# KiCad board motordecoder2-roomlight.kicad_pcb (continued)
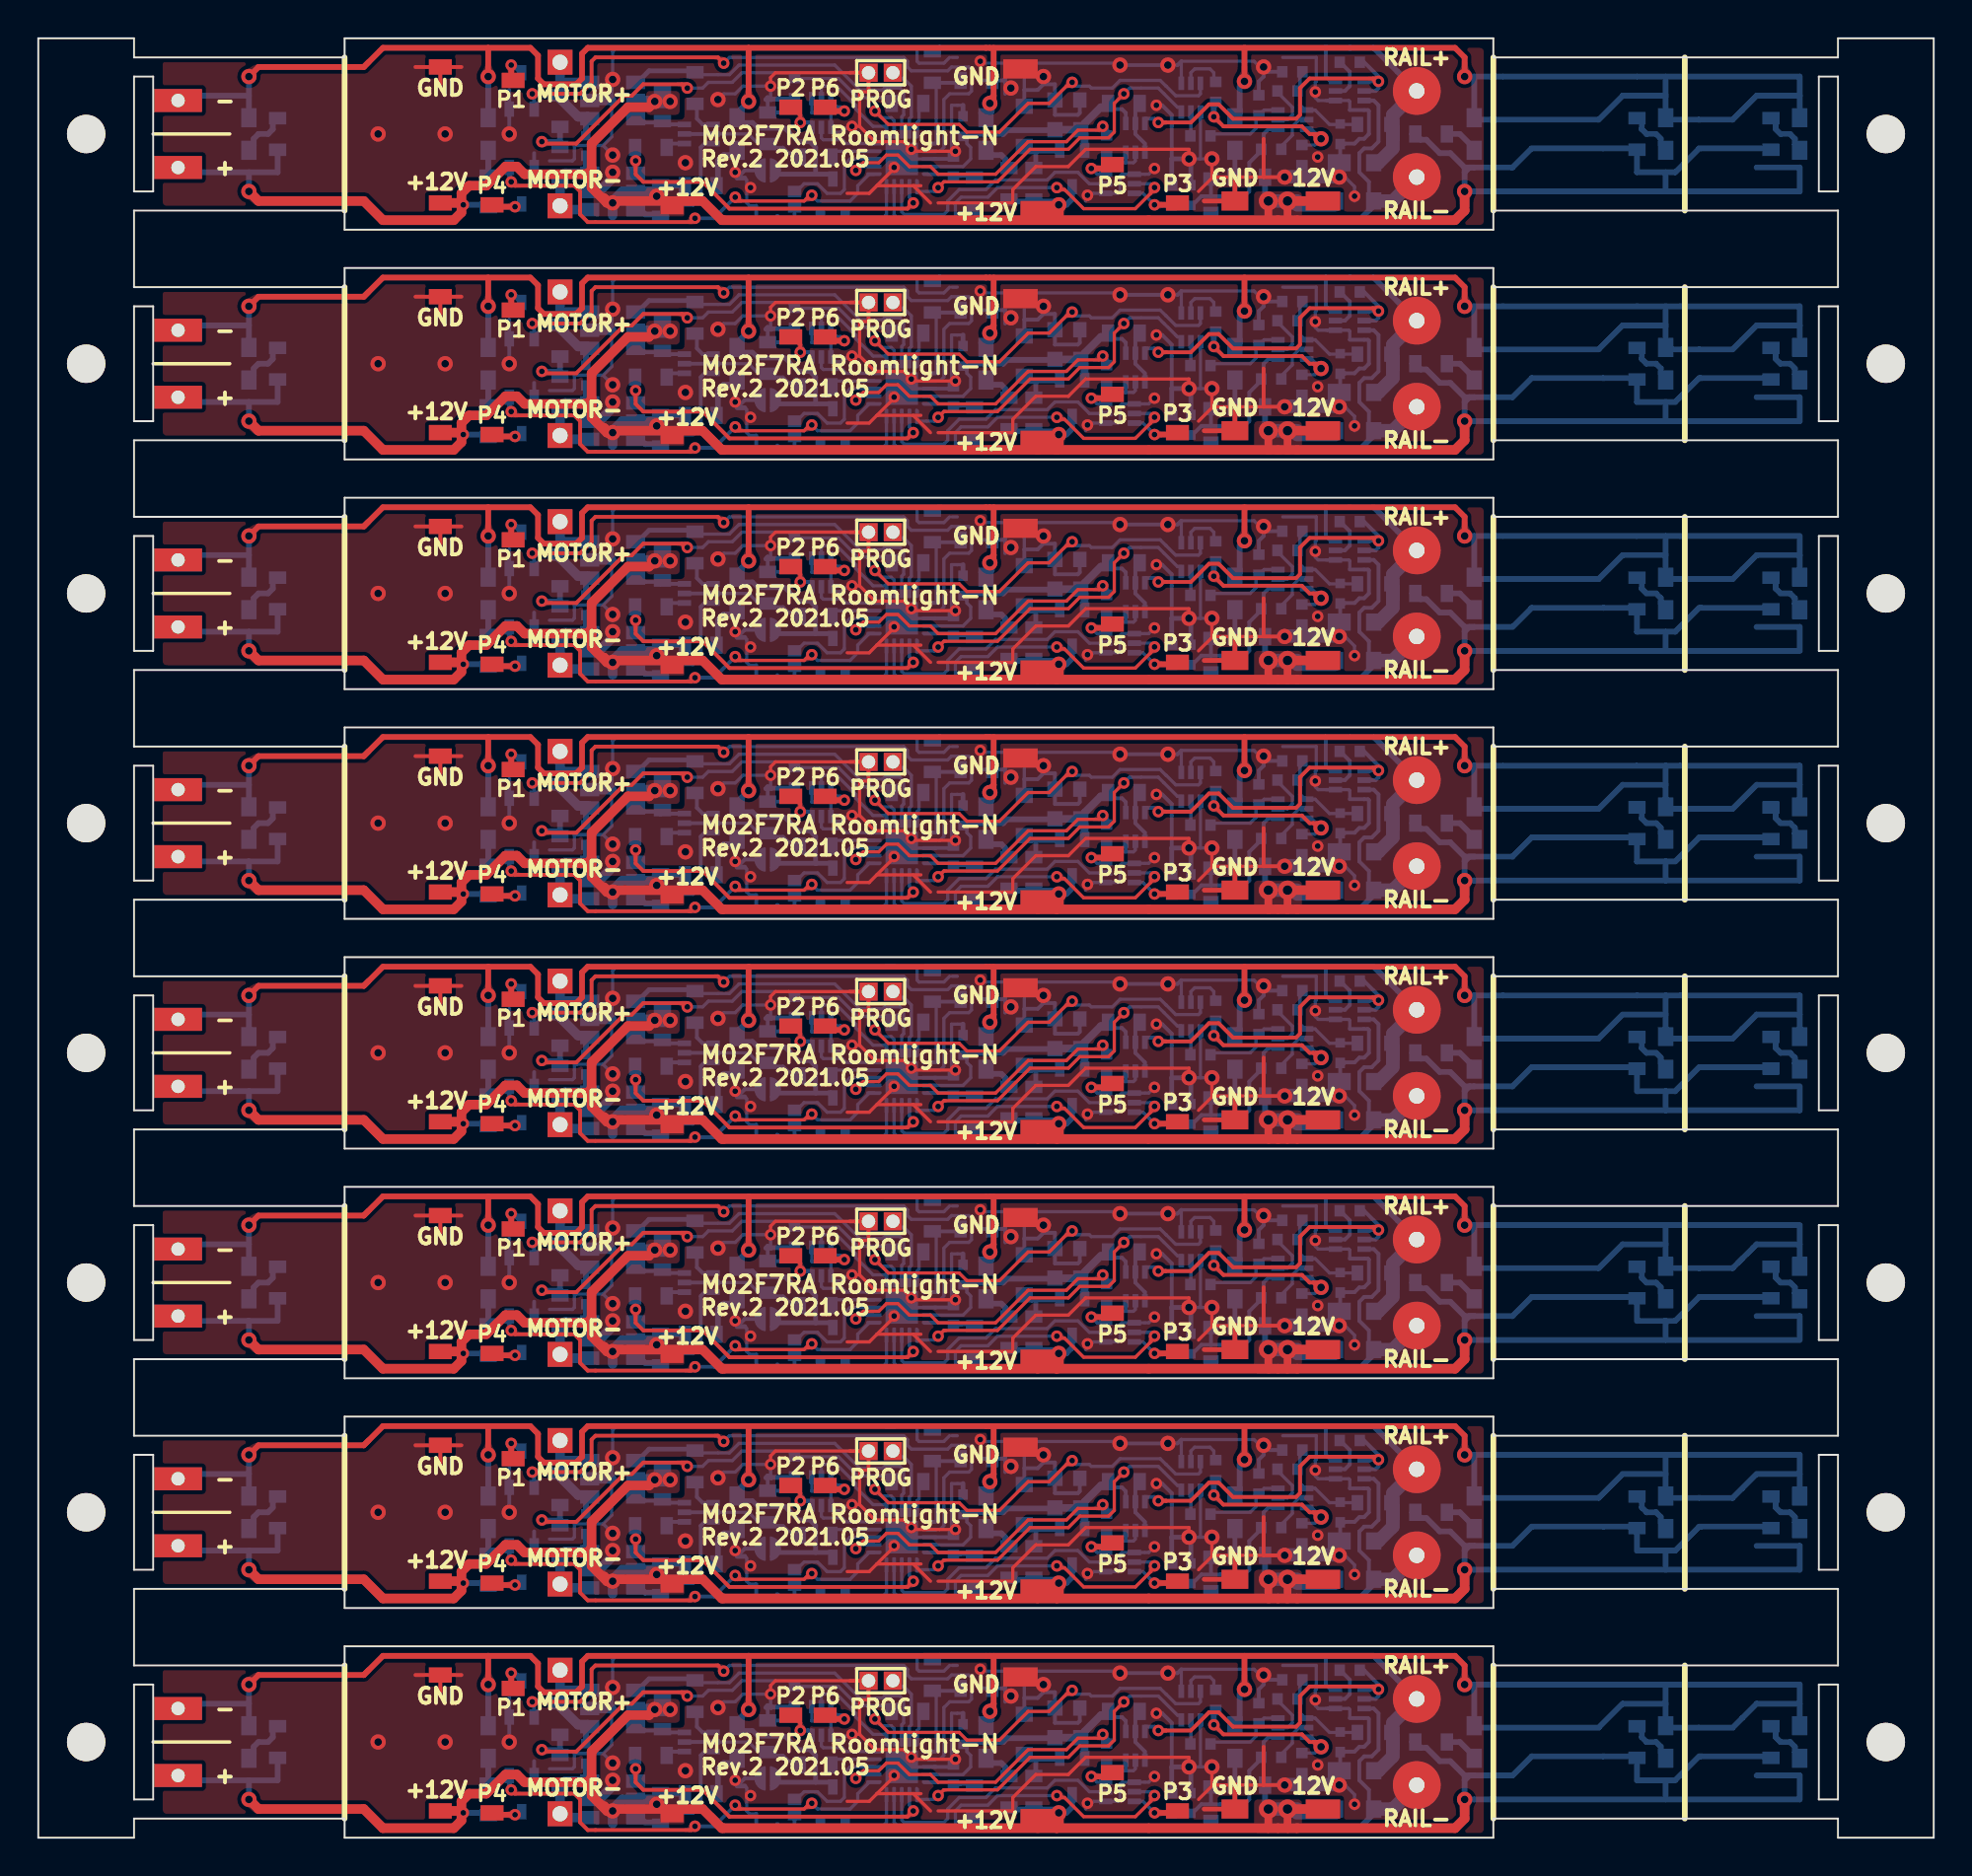
[diagram p0: board, top side]
## Placement (name value [footprint] x y rotation side) (continued)
R32#4  103  [R_1005]  65.5 56.25 180 bottom
R32#5  103  [R_1005]  65.5 44.25 180 bottom
R32#6  103  [R_1005]  65.5 32.25 180 bottom
R32#7  103  [R_1005]  65.5 20.25 180 bottom
R32#8  103  [R_1005]  65.5 8.25 180 bottom
R33  472  [R_1005]  66 87.9 270 bottom
R33#2  472  [R_1005]  66 75.9 270 bottom
R33#3  472  [R_1005]  66 63.9 270 bottom
R33#4  472  [R_1005]  66 51.9 270 bottom
R33#5  472  [R_1005]  66 39.9 270 bottom
R33#6  472  [R_1005]  66 27.9 270 bottom
R33#7  472  [R_1005]  66 15.9 270 bottom
R33#8  472  [R_1005]  66 3.9 270 bottom
R34  103  [R_1005]  61.5 91.2 270 bottom
R34#2  103  [R_1005]  61.5 79.2 270 bottom
R34#3  103  [R_1005]  61.5 67.2 270 bottom
R34#4  103  [R_1005]  61.5 55.2 270 bottom
R34#5  103  [R_1005]  61.5 43.2 270 bottom
R34#6  103  [R_1005]  61.5 31.2 270 bottom
R34#7  103  [R_1005]  61.5 19.2 270 bottom
R34#8  103  [R_1005]  61.5 7.2 270 bottom
R35  102  [R_1005]  64.4 88.2 180 bottom
R35#2  102  [R_1005]  64.4 76.2 180 bottom
R35#3  102  [R_1005]  64.4 64.2 180 bottom
R35#4  102  [R_1005]  64.4 52.2 180 bottom
R35#5  102  [R_1005]  64.4 40.2 180 bottom
R35#6  102  [R_1005]  64.4 28.2 180 bottom
R35#7  102  [R_1005]  64.4 16.2 180 bottom
R35#8  102  [R_1005]  64.4 4.2 180 bottom
R36  103  [R_1005]  59.2 85.8 90 bottom
R36#2  103  [R_1005]  59.2 73.8 90 bottom
R36#3  103  [R_1005]  59.2 61.8 90 bottom
R36#4  103  [R_1005]  59.2 49.8 90 bottom
R36#5  103  [R_1005]  59.2 37.8 90 bottom
R36#6  103  [R_1005]  59.2 25.8 90 bottom
R36#7  103  [R_1005]  59.2 13.8 90 bottom
R36#8  103  [R_1005]  59.2 1.8 90 bottom
R37  472  [R_1005]  63.75 90.5 90 bottom
R37#2  472  [R_1005]  63.75 78.5 90 bottom
R37#3  472  [R_1005]  63.75 66.5 90 bottom
R37#4  472  [R_1005]  63.75 54.5 90 bottom
R37#5  472  [R_1005]  63.75 42.5 90 bottom
R37#6  472  [R_1005]  63.75 30.5 90 bottom
R37#7  472  [R_1005]  63.75 18.5 90 bottom
R37#8  472  [R_1005]  63.75 6.5 90 bottom
R38  103  [R_1005]  60.7 88.9 0 bottom
R38#2  103  [R_1005]  60.7 76.9 0 bottom
R38#3  103  [R_1005]  60.7 64.9 0 bottom
R38#4  103  [R_1005]  60.7 52.9 0 bottom
R38#5  103  [R_1005]  60.7 40.9 0 bottom
R38#6  103  [R_1005]  60.7 28.9 0 bottom
R38#7  103  [R_1005]  60.7 16.9 0 bottom
R38#8  103  [R_1005]  60.7 4.9 0 bottom
R41  472  [R_1608_v2]  90.5 89 90 bottom
R41#2  472  [R_1608_v2]  90.5 77 90 bottom
R41#3  472  [R_1608_v2]  90.5 65 90 bottom
R41#4  472  [R_1608_v2]  90.5 53 90 bottom
R41#5  472  [R_1608_v2]  90.5 41 90 bottom
R41#6  472  [R_1608_v2]  90.5 29 90 bottom
R41#7  472  [R_1608_v2]  90.5 17 90 bottom
R41#8  472  [R_1608_v2]  90.5 5 90 bottom
R42  472  [R_1608_v2]  83.5 89 90 bottom
R42#2  472  [R_1608_v2]  83.5 77 90 bottom
R42#3  472  [R_1608_v2]  83.5 65 90 bottom
R42#4  472  [R_1608_v2]  83.5 53 90 bottom
R42#5  472  [R_1608_v2]  83.5 41 90 bottom
R42#6  472  [R_1608_v2]  83.5 29 90 bottom
R42#7  472  [R_1608_v2]  83.5 17 90 bottom
R42#8  472  [R_1608_v2]  83.5 5 90 bottom
R43  472  [R_1608_v2]  72.75 89 0 bottom
R43#2  472  [R_1608_v2]  72.75 77 0 bottom
R43#3  472  [R_1608_v2]  72.75 65 0 bottom
R43#4  472  [R_1608_v2]  72.75 53 0 bottom
R43#5  472  [R_1608_v2]  72.75 41 0 bottom
R43#6  472  [R_1608_v2]  72.75 29 0 bottom
R43#7  472  [R_1608_v2]  72.75 17 0 bottom
R43#8  472  [R_1608_v2]  72.75 5 0 bottom
R44  472  [R_1608_v2]  63.25 86.75 180 bottom
R44#2  472  [R_1608_v2]  63.25 74.75 180 bottom
R44#3  472  [R_1608_v2]  63.25 62.75 180 bottom
R44#4  472  [R_1608_v2]  63.25 50.75 180 bottom
R44#5  472  [R_1608_v2]  63.25 38.75 180 bottom
R44#6  472  [R_1608_v2]  63.25 26.75 180 bottom
R44#7  472  [R_1608_v2]  63.25 14.75 180 bottom
R44#8  472  [R_1608_v2]  63.25 2.75 180 bottom
R45  472  [R_1608_v2]  50.7 86.4 90 bottom
R45#2  472  [R_1608_v2]  50.7 74.4 90 bottom
R45#3  472  [R_1608_v2]  50.7 62.4 90 bottom
R45#4  472  [R_1608_v2]  50.7 50.4 90 bottom
R45#5  472  [R_1608_v2]  50.7 38.4 90 bottom
R45#6  472  [R_1608_v2]  50.7 26.4 90 bottom
R45#7  472  [R_1608_v2]  50.7 14.4 90 bottom
R45#8  472  [R_1608_v2]  50.7 2.4 90 bottom
R46  472  [R_1608_v2]  34.6 86.3 0 bottom
R46#2  472  [R_1608_v2]  34.6 74.3 0 bottom
R46#3  472  [R_1608_v2]  34.6 62.3 0 bottom
R46#4  472  [R_1608_v2]  34.6 50.3 0 bottom
R46#5  472  [R_1608_v2]  34.6 38.3 0 bottom
R46#6  472  [R_1608_v2]  34.6 26.3 0 bottom
R46#7  472  [R_1608_v2]  34.6 14.3 0 bottom
R46#8  472  [R_1608_v2]  34.6 2.3 0 bottom
R47  472  [R_1608_v2]  23.5 86 90 bottom
R47#2  472  [R_1608_v2]  23.5 74 90 bottom
R47#3  472  [R_1608_v2]  23.5 62 90 bottom
R47#4  472  [R_1608_v2]  23.5 50 90 bottom
R47#5  472  [R_1608_v2]  23.5 38 90 bottom
R47#6  472  [R_1608_v2]  23.5 26 90 bottom
R47#7  472  [R_1608_v2]  23.5 14 90 bottom
R47#8  472  [R_1608_v2]  23.5 2 90 bottom
R48  472  [R_1608_v2]  12.5 89 90 bottom
R48#2  472  [R_1608_v2]  12.5 77 90 bottom
R48#3  472  [R_1608_v2]  12.5 65 90 bottom
R48#4  472  [R_1608_v2]  12.5 53 90 bottom
R48#5  472  [R_1608_v2]  12.5 41 90 bottom
R48#6  472  [R_1608_v2]  12.5 29 90 bottom
R48#7  472  [R_1608_v2]  12.5 17 90 bottom
R48#8  472  [R_1608_v2]  12.5 5 90 bottom
REF**  -  [HOLE_MASK_LOCK]  96.5 89 0 top
REF**#2  -  [HOLE_MASK_LOCK]  2.5 89 0 top
REF**#3  -  [HOLE_MASK_LOCK]  96.5 77 0 top
REF**#4  -  [HOLE_MASK_LOCK]  96.5 65 0 top
REF**#5  -  [HOLE_MASK_LOCK]  96.5 53 0 top
REF**#6  -  [HOLE_MASK_LOCK]  96.5 41 0 top
REF**#7  -  [HOLE_MASK_LOCK]  96.5 29 0 top
REF**#8  -  [HOLE_MASK_LOCK]  96.5 17 0 top
REF**#9  -  [HOLE_MASK_LOCK]  96.5 5 0 top
REF**#10  -  [HOLE_MASK_LOCK]  2.5 77 0 top
REF**#11  -  [HOLE_MASK_LOCK]  2.5 65 0 top
REF**#12  -  [HOLE_MASK_LOCK]  2.5 53 0 top
REF**#13  -  [HOLE_MASK_LOCK]  2.5 41 0 top
REF**#14  -  [HOLE_MASK_LOCK]  2.5 29 0 top
REF**#15  -  [HOLE_MASK_LOCK]  2.5 17 0 top
REF**#16  -  [HOLE_MASK_LOCK]  2.5 5 0 top
U2  ATtiny1606-M  [VQFN-20-1EP_3x3mm_P0.4mm_EP1.7x1.7mm]  45.1 87.7 180 bottom
U2#2  ATtiny1606-M  [VQFN-20-1EP_3x3mm_P0.4mm_EP1.7x1.7mm]  45.1 75.7 180 bottom
U2#3  ATtiny1606-M  [VQFN-20-1EP_3x3mm_P0.4mm_EP1.7x1.7mm]  45.1 63.7 180 bottom
U2#4  ATtiny1606-M  [VQFN-20-1EP_3x3mm_P0.4mm_EP1.7x1.7mm]  45.1 51.7 180 bottom
U2#5  ATtiny1606-M  [VQFN-20-1EP_3x3mm_P0.4mm_EP1.7x1.7mm]  45.1 39.7 180 bottom
U2#6  ATtiny1606-M  [VQFN-20-1EP_3x3mm_P0.4mm_EP1.7x1.7mm]  45.1 27.7 180 bottom
U2#7  ATtiny1606-M  [VQFN-20-1EP_3x3mm_P0.4mm_EP1.7x1.7mm]  45.1 15.7 180 bottom
U2#8  ATtiny1606-M  [VQFN-20-1EP_3x3mm_P0.4mm_EP1.7x1.7mm]  45.1 3.7 180 bottom

## Footprints (pads in the part's own frame, mm; a bottom-side part is the same pattern mirrored in y, then rotated)
C_1005_v2
  rect 0.5x0.5 smd: 1(-0.525,0)
  rect 0.55x0.5 smd: 2(0.525,0)
C_1608
  rect 0.8x0.8 smd: 1(-0.775,0) 2(0.775,0)
CP_1608
  rect 0.8x0.7 smd: 1(-0.775,0) 2(0.775,0)
EMD2
  rect 0.7x0.8 smd: 1(0.9,0) 2(-0.9,0)
EMD2_small
  rect 0.6x0.8 smd: 1(0.85,0) 2(-0.85,0)
HOLE_MASK_LOCK
  round 2 hole 2 unplated: (0,0)
LED_1608
  rect 1x0.8 smd: 1(-0.85,0) 2(0.85,0)
PAD_1.0x1.4_SMD
  rect 1x1.4 smd: 1(0,0)
PAD_1.0x1.8_SMD
  rect 1x1.8 smd: 1(0,0)
PAD_1.2x0.8_SMD
  rect 1.2x0.8 smd: 1(0,0)
PAD_1.3x1.3_Hole0.8
  rect 1.3x1.3 hole 0.8: 1(0,0)
PAD_COIL_1.3x1.3_Hole0.8
  rect 1.3x1.3 hole 0.8: 1(0,0)
  round 2.5 hole 0.8: 1(0,0)
PAD_PROG_2PIN_HOLE0.7
  rect 0.95x0.95 hole 0.7: 1(-0.635,0) 2(0.635,0)
PCB_CONN_PAD_2.5mmx1.2mm
  rect 2.5x1.2 hole 0.7: 1(0,0)
R_1005
  rect 0.55x0.6 smd: 1(-0.525,0) 2(0.525,0)
R_1608_v2
  rect 0.65x0.9 smd: 1(-0.825,0) 2(0.825,0)
SC-70_v2
  rect 0.5x0.8 smd: 1(-0.65,-0.95) 2(0.65,-0.95) 3(0,0.95)
SOLDER_CONN_PAD_0.7mm_1.4mm
  rect 0.6x0.7 smd: 1(-0.4,0) 2(0.4,0)
SOLDER_CONN_PAD_2_1.5mm
  custom 1.282x0.596 smd: 1(0,0.35) 2(0,-0.35)
SOT-23-6
  rect 0.7x1 smd: 1(-0.95,-1.2) 2(0,-1.2) 3(0.95,-1.2) 4(0.95,1.2) 5(0,1.2) 6(-0.95,1.2)
SOT-143
  rect 1.2x0.9 smd: 1(-0.8,-1)
  rect 0.8x0.9 smd: 2(1,-1) 3(1,1) 4(-1,1)
SOT-666-nomark
  rect 0.7x0.3 smd: 1(-0.75,0.5) 2(-0.75,0) 3(-0.75,-0.5) 4(0.75,-0.5) 5(0.75,0) 6(0.75,0.5)
UMD2
  rect 0.8x0.9 smd: 1(1.05,0) 2(-1.05,0)
VQFN-20-1EP_3x3mm_P0.4mm_EP1.7x1.7mm
  rrect 0.69x0.69 smd: (-0.425,-0.425) (-0.425,0.425) (0.425,-0.425) (0.425,0.425)
  custom 0.8x0.2 smd: 1(-1.45,0.8) 5(-1.45,-0.8) 11(1.45,-0.8) 15(1.45,0.8)
  rrect 0.8x0.2 smd: 2(-1.45,0.4) 3(-1.45,0) 4(-1.45,-0.4) 12(1.45,-0.4) 13(1.45,0) 14(1.45,0.4)
  custom 0.2x0.8 smd: 6(-0.8,-1.45) 10(0.8,-1.45) 16(0.8,1.45) 20(-0.8,1.45)
  rrect 0.2x0.8 smd: 7(-0.4,-1.45) 8(0,-1.45) 9(0.4,-1.45) 17(0.4,1.45) 18(0,1.45) 19(-0.4,1.45)
  rect 1.7x1.7 smd: 21(0,0)

## Nets
+5V: C3.1 C3#2.1 C3#3.1 C3#4.1 C3#5.1 C3#6.1 C3#7.1 C3#8.1 C4.1 C4#2.1 C4#3.1 C4#4.1 C4#5.1 C4#6.1 C4#7.1 C4#8.1 C5.1 C5#2.1 C5#3.1 C5#4.1 C5#5.1 C5#6.1 C5#7.1 C5#8.1 Q5.2 Q5#2.2 Q5#3.2 Q5#4.2 Q5#5.2 Q5#6.2 Q5#7.2 Q5#8.2 Q6.1 Q6#2.1 Q6#3.1 Q6#4.1 Q6#5.1 Q6#6.1 Q6#7.1 Q6#8.1 R14.2 R14#2.2 R14#3.2 R14#4.2 R14#5.2 R14#6.2 R14#7.2 R14#8.2 U2.4 U2#2.4 U2#3.4 U2#4.4 U2#5.4 U2#6.4 U2#7.4 U2#8.4
+12V: C1.1 C1#2.1 C1#3.1 C1#4.1 C1#5.1 C1#6.1 C1#7.1 C1#8.1 D1.4 D1#2.4 D1#3.4 D1#4.4 D1#5.4 D1#6.4 D1#7.4 D1#8.4 J15.1 J15#2.1 J15#3.1 J15#4.1 J15#5.1 J15#6.1 J15#7.1 J15#8.1 J17.1 J17#2.1 J17#3.1 J17#4.1 J17#5.1 J17#6.1 J17#7.1 J17#8.1 J21.1 J21#2.1 J21#3.1 J21#4.1 J21#5.1 J21#6.1 J21#7.1 J21#8.1 P7.1 P7#2.1 P7#3.1 P7#4.1 P7#5.1 P7#6.1 P7#7.1 P7#8.1 P10.1 P10#2.1 P10#3.1 P10#4.1 P10#5.1 P10#6.1 P10#7.1 P10#8.1 Q1.2 Q1#2.2 Q1#3.2 Q1#4.2 Q1#5.2 Q1#6.2 Q1#7.2 Q1#8.2 Q2.2 Q2#2.2 Q2#3.2 Q2#4.2 Q2#5.2 Q2#6.2 Q2#7.2 Q2#8.2 Q5.3 Q5#2.3 Q5#3.3 Q5#4.3 Q5#5.3 Q5#6.3 Q5#7.3 Q5#8.3 R3.1 R3#2.1 R3#3.1 R3#4.1 R3#5.1 R3#6.1 R3#7.1 R3#8.1 R4.1 R4#2.1 R4#3.1 R4#4.1 R4#5.1 R4#6.1 R4#7.1 R4#8.1 R12.1 R12#2.1 R12#3.1 R12#4.1 R12#5.1 R12#6.1 R12#7.1 R12#8.1 R41.1 R41#2.1 R41#3.1 R41#4.1 R41#5.1 R41#6.1 R41#7.1 R41#8.1 R42.1 R42#2.1 R42#3.1 R42#4.1 R42#5.1 R42#6.1 R42#7.1 R42#8.1 R43.1 R43#2.1 R43#3.1 R43#4.1 R43#5.1 R43#6.1 R43#7.1 R43#8.1 R44.1 R44#2.1 R44#3.1 R44#4.1 R44#5.1 R44#6.1 R44#7.1 R44#8.1 R45.1 R45#2.1 R45#3.1 R45#4.1 R45#5.1 R45#6.1 R45#7.1 R45#8.1 R46.1 R46#2.1 R46#3.1 R46#4.1 R46#5.1 R46#6.1 R46#7.1 R46#8.1 R47.1 R47#2.1 R47#3.1 R47#4.1 R47#5.1 R47#6.1 R47#7.1 R47#8.1 R48.1 R48#2.1 R48#3.1 R48#4.1 R48#5.1 R48#6.1 R48#7.1 R48#8.1
GND: C1.2 C1#2.2 C1#3.2 C1#4.2 C1#5.2 C1#6.2 C1#7.2 C1#8.2 C3.2 C3#2.2 C3#3.2 C3#4.2 C3#5.2 C3#6.2 C3#7.2 C3#8.2 C4.2 C4#2.2 C4#3.2 C4#4.2 C4#5.2 C4#6.2 C4#7.2 C4#8.2 C5.2 C5#2.2 C5#3.2 C5#4.2 C5#5.2 C5#6.2 C5#7.2 C5#8.2 C11.2 C11#2.2 C11#3.2 C11#4.2 C11#5.2 C11#6.2 C11#7.2 C11#8.2 C12.2 C12#2.2 C12#3.2 C12#4.2 C12#5.2 C12#6.2 C12#7.2 C12#8.2 D1.1 D1#2.1 D1#3.1 D1#4.1 D1#5.1 D1#6.1 D1#7.1 D1#8.1 D3.2 D3#2.2 D3#3.2 D3#4.2 D3#5.2 D3#6.2 D3#7.2 D3#8.2 J19.1 J19#2.1 J19#3.1 J19#4.1 J19#5.1 J19#6.1 J19#7.1 J19#8.1 JP1.2 JP1#2.2 JP1#3.2 JP1#4.2 JP1#5.2 JP1#6.2 JP1#7.2 JP1#8.2 JP2.2 JP2#2.2 JP2#3.2 JP2#4.2 JP2#5.2 JP2#6.2 JP2#7.2 JP2#8.2 P8.1 P8#2.1 P8#3.1 P8#4.1 P8#5.1 P8#6.1 P8#7.1 P8#8.1 P9.2 P9#2.2 P9#3.2 P9#4.2 P9#5.2 P9#6.2 P9#7.2 P9#8.2 P11.1 P11#2.1 P11#3.1 P11#4.1 P11#5.1 P11#6.1 P11#7.1 P11#8.1 Q1.5 Q1#2.5 Q1#3.5 Q1#4.5 Q1#5.5 Q1#6.5 Q1#7.5 Q1#8.5 Q2.5 Q2#2.5 Q2#3.5 Q2#4.5 Q2#5.5 Q2#6.5 Q2#7.5 Q2#8.5 Q8.1 Q8#2.1 Q8#3.1 Q8#4.1 Q8#5.1 Q8#6.1 Q8#7.1 Q8#8.1 Q11.2 Q11#2.2 Q11#3.2 Q11#4.2 Q11#5.2 Q11#6.2 Q11#7.2 Q11#8.2 Q12.2 Q12#2.2 Q12#3.2 Q12#4.2 Q12#5.2 Q12#6.2 Q12#7.2 Q12#8.2 Q13.1 Q13.4 Q13#2.1 Q13#2.4 Q13#3.1 Q13#3.4 Q13#4.1 Q13#4.4 Q13#5.1 Q13#5.4 Q13#6.1 Q13#6.4 Q13#7.1 Q13#7.4 Q13#8.1 Q13#8.4 Q14.1 Q14.4 Q14#2.1 Q14#2.4 Q14#3.1 Q14#3.4 Q14#4.1 Q14#4.4 Q14#5.1 Q14#5.4 Q14#6.1 Q14#6.4 Q14#7.1 Q14#7.4 Q14#8.1 Q14#8.4 Q17.2 Q17#2.2 Q17#3.2 Q17#4.2 Q17#5.2 Q17#6.2 Q17#7.2 Q17#8.2 Q22.1 Q22.4 Q22#2.1 Q22#2.4 Q22#3.1 Q22#3.4 Q22#4.1 Q22#4.4 Q22#5.1 Q22#5.4 Q22#6.1 Q22#6.4 Q22#7.1 Q22#7.4 Q22#8.1 Q22#8.4 R8.2 R8#2.2 R8#3.2 R8#4.2 R8#5.2 R8#6.2 R8#7.2 R8#8.2 R16.2 R16#2.2 R16#3.2 R16#4.2 R16#5.2 R16#6.2 R16#7.2 R16#8.2 R17.2 R17#2.2 R17#3.2 R17#4.2 R17#5.2 R17#6.2 R17#7.2 R17#8.2 R18.2 R18#2.2 R18#3.2 R18#4.2 R18#5.2 R18#6.2 R18#7.2 R18#8.2 R32.2 R32#2.2 R32#3.2 R32#4.2 R32#5.2 R32#6.2 R32#7.2 R32#8.2 R33.2 R33#2.2 R33#3.2 R33#4.2 R33#5.2 R33#6.2 R33#7.2 R33#8.2 R36.2 R36#2.2 R36#3.2 R36#4.2 R36#5.2 R36#6.2 R36#7.2 R36#8.2 R37.2 R37#2.2 R37#3.2 R37#4.2 R37#5.2 R37#6.2 R37#7.2 R37#8.2 U2.3 U2.21 U2#2.3 U2#2.21 U2#3.3 U2#3.21 U2#4.3 U2#4.21 U2#5.3 U2#5.21 U2#6.3 U2#6.21 U2#7.3 U2#7.21 U2#8.3 U2#8.21
ABC+: Q22.6 Q22#2.6 Q22#3.6 Q22#4.6 Q22#5.6 Q22#6.6 Q22#7.6 Q22#8.6 U2.6 U2#2.6 U2#3.6 U2#4.6 U2#5.6 U2#6.6 U2#7.6 U2#8.6
ABC-: Q22.3 Q22#2.3 Q22#3.3 Q22#4.3 Q22#5.3 Q22#6.3 Q22#7.3 Q22#8.3 U2.17 U2#2.17 U2#3.17 U2#4.17 U2#5.17 U2#6.17 U2#7.17 U2#8.17
BEMF: R11.1 R11#2.1 R11#3.1 R11#4.1 R11#5.1 R11#6.1 R11#7.1 R11#8.1 U2.20 U2#2.20 U2#3.20 U2#4.20 U2#5.20 U2#6.20 U2#7.20 U2#8.20
DIR_JP: JP2.1 JP2#2.1 JP2#3.1 JP2#4.1 JP2#5.1 JP2#6.1 JP2#7.1 JP2#8.1 U2.13 U2#2.13 U2#3.13 U2#4.13 U2#5.13 U2#6.13 U2#7.13 U2#8.13
Func1: Q11.1 Q11#2.1 Q11#3.1 Q11#4.1 Q11#5.1 Q11#6.1 Q11#7.1 Q11#8.1 U2.2 U2#2.2 U2#3.2 U2#4.2 U2#5.2 U2#6.2 U2#7.2 U2#8.2
Func2: Q14.5 Q14#2.5 Q14#3.5 Q14#4.5 Q14#5.5 Q14#6.5 Q14#7.5 Q14#8.5 U2.16 U2#2.16 U2#3.16 U2#4.16 U2#5.16 U2#6.16 U2#7.16 U2#8.16
Func3: Q13.5 Q13#2.5 Q13#3.5 Q13#4.5 Q13#5.5 Q13#6.5 Q13#7.5 Q13#8.5 U2.8 U2#2.8 U2#3.8 U2#4.8 U2#5.8 U2#6.8 U2#7.8 U2#8.8
Func4: Q12.1 Q12#2.1 Q12#3.1 Q12#4.1 Q12#5.1 Q12#6.1 Q12#7.1 Q12#8.1 U2.11 U2#2.11 U2#3.11 U2#4.11 U2#5.11 U2#6.11 U2#7.11 U2#8.11
Func5: Q13.2 Q13#2.2 Q13#3.2 Q13#4.2 Q13#5.2 Q13#6.2 Q13#7.2 Q13#8.2 U2.9 U2#2.9 U2#3.9 U2#4.9 U2#5.9 U2#6.9 U2#7.9 U2#8.9
Func6: Q14.2 Q14#2.2 Q14#3.2 Q14#4.2 Q14#5.2 Q14#6.2 Q14#7.2 Q14#8.2 U2.15 U2#2.15 U2#3.15 U2#4.15 U2#5.15 U2#6.15 U2#7.15 U2#8.15
Func7: Q17.1 Q17#2.1 Q17#3.1 Q17#4.1 Q17#5.1 Q17#6.1 Q17#7.1 Q17#8.1 U2.10 U2#2.10 U2#3.10 U2#4.10 U2#5.10 U2#6.10 U2#7.10 U2#8.10
FWD: Q2.1 Q2#2.1 Q2#3.1 Q2#4.1 Q2#5.1 Q2#6.1 Q2#7.1 Q2#8.1 R6.2 R6#2.2 R6#3.2 R6#4.2 R6#5.2 R6#6.2 R6#7.2 R6#8.2 U2.7 U2#2.7 U2#3.7 U2#4.7 U2#5.7 U2#6.7 U2#7.7 U2#8.7
MOTOR+: C7.1 C7#2.1 C7#3.1 C7#4.1 C7#5.1 C7#6.1 C7#7.1 C7#8.1 P5.1 P5#2.1 P5#3.1 P5#4.1 P5#5.1 P5#6.1 P5#7.1 P5#8.1 Q1.4 Q1.6 Q1#2.4 Q1#2.6 Q1#3.4 Q1#3.6 Q1#4.4 Q1#4.6 Q1#5.4 Q1#5.6 Q1#6.4 Q1#6.6 Q1#7.4 Q1#7.6 Q1#8.4 Q1#8.6 R9.2 R9#2.2 R9#3.2 R9#4.2 R9#5.2 R9#6.2 R9#7.2 R9#8.2
MOTOR-: C7.2 C7#2.2 C7#3.2 C7#4.2 C7#5.2 C7#6.2 C7#7.2 C7#8.2 P6.1 P6#2.1 P6#3.1 P6#4.1 P6#5.1 P6#6.1 P6#7.1 P6#8.1 Q2.4 Q2.6 Q2#2.4 Q2#2.6 Q2#3.4 Q2#3.6 Q2#4.4 Q2#4.6 Q2#5.4 Q2#5.6 Q2#6.4 Q2#6.6 Q2#7.4 Q2#7.6 Q2#8.4 Q2#8.6 R10.2 R10#2.2 R10#3.2 R10#4.2 R10#5.2 R10#6.2 R10#7.2 R10#8.2
PWM: R7.1 R7#2.1 R7#3.1 R7#4.1 R7#5.1 R7#6.1 R7#7.1 R7#8.1 U2.14 U2#2.14 U2#3.14 U2#4.14 U2#5.14 U2#6.14 U2#7.14 U2#8.14
RAIL+: D1.2 D1#2.2 D1#3.2 D1#4.2 D1#5.2 D1#6.2 D1#7.2 D1#8.2 D21.2 D21#2.2 D21#3.2 D21#4.2 D21#5.2 D21#6.2 D21#7.2 D21#8.2 P1.1 P1#2.1 P1#3.1 P1#4.1 P1#5.1 P1#6.1 P1#7.1 P1#8.1 Q8.3 Q8#2.3 Q8#3.3 Q8#4.3 Q8#5.3 Q8#6.3 Q8#7.3 Q8#8.3 R1.1 R1#2.1 R1#3.1 R1#4.1 R1#5.1 R1#6.1 R1#7.1 R1#8.1
RAIL-: D1.3 D1#2.3 D1#3.3 D1#4.3 D1#5.3 D1#6.3 D1#7.3 D1#8.3 D22.2 D22#2.2 D22#3.2 D22#4.2 D22#5.2 D22#6.2 D22#7.2 D22#8.2 P3.1 P3#2.1 P3#3.1 P3#4.1 P3#5.1 P3#6.1 P3#7.1 P3#8.1 Q8.6 Q8#2.6 Q8#3.6 Q8#4.6 Q8#5.6 Q8#6.6 Q8#7.6 Q8#8.6 R2.1 R2#2.1 R2#3.1 R2#4.1 R2#5.1 R2#6.1 R2#7.1 R2#8.1
REV: Q1.1 Q1#2.1 Q1#3.1 Q1#4.1 Q1#5.1 Q1#6.1 Q1#7.1 Q1#8.1 R5.2 R5#2.2 R5#3.2 R5#4.2 R5#5.2 R5#6.2 R5#7.2 R5#8.2 U2.18 U2#2.18 U2#3.18 U2#4.18 U2#5.18 U2#6.18 U2#7.18 U2#8.18
TXD: R13.2 R13#2.2 R13#3.2 R13#4.2 R13#5.2 R13#6.2 R13#7.2 R13#8.2 U2.12 U2#2.12 U2#3.12 U2#4.12 U2#5.12 U2#6.12 U2#7.12 U2#8.12
UPDI: P9.1 P9#2.1 P9#3.1 P9#4.1 P9#5.1 P9#6.1 P9#7.1 P9#8.1 U2.19 U2#2.19 U2#3.19 U2#4.19 U2#5.19 U2#6.19 U2#7.19 U2#8.19
VRAIL+: C11.1 C11#2.1 C11#3.1 C11#4.1 C11#5.1 C11#6.1 C11#7.1 C11#8.1 D21.1 D21#2.1 D21#3.1 D21#4.1 D21#5.1 D21#6.1 D21#7.1 D21#8.1 Q21.4 Q21#2.4 Q21#3.4 Q21#4.4 Q21#5.4 Q21#6.4 Q21#7.4 Q21#8.4 R31.2 R31#2.2 R31#3.2 R31#4.2 R31#5.2 R31#6.2 R31#7.2 R31#8.2 R32.1 R32#2.1 R32#3.1 R32#4.1 R32#5.1 R32#6.1 R32#7.1 R32#8.1
VRAIL-: C12.1 C12#2.1 C12#3.1 C12#4.1 C12#5.1 C12#6.1 C12#7.1 C12#8.1 D22.1 D22#2.1 D22#3.1 D22#4.1 D22#5.1 D22#6.1 D22#7.1 D22#8.1 Q21.1 Q21#2.1 Q21#3.1 Q21#4.1 Q21#5.1 Q21#6.1 Q21#7.1 Q21#8.1 R35.2 R35#2.2 R35#3.2 R35#4.2 R35#5.2 R35#6.2 R35#7.2 R35#8.2 R36.1 R36#2.1 R36#3.1 R36#4.1 R36#5.1 R36#6.1 R36#7.1 R36#8.1
Net-(D3-Pad1): D3.1 D3#2.1 D3#3.1 D3#4.1 D3#5.1 D3#6.1 D3#7.1 D3#8.1 Q5.1 Q5#2.1 Q5#3.1 Q5#4.1 Q5#5.1 Q5#6.1 Q5#7.1 Q5#8.1 R12.2 R12#2.2 R12#3.2 R12#4.2 R12#5.2 R12#6.2 R12#7.2 R12#8.2
Net-(D41-Pad1): D41.1 D41#2.1 D41#3.1 D41#4.1 D41#5.1 D41#6.1 D41#7.1 D41#8.1 D42.1 D42#2.1 D42#3.1 D42#4.1 D42#5.1 D42#6.1 D42#7.1 D42#8.1 D43.1 D43#2.1 D43#3.1 D43#4.1 D43#5.1 D43#6.1 D43#7.1 D43#8.1 D44.1 D44#2.1 D44#3.1 D44#4.1 D44#5.1 D44#6.1 D44#7.1 D44#8.1 D45.1 D45#2.1 D45#3.1 D45#4.1 D45#5.1 D45#6.1 D45#7.1 D45#8.1 D46.1 D46#2.1 D46#3.1 D46#4.1 D46#5.1 D46#6.1 D46#7.1 D46#8.1 D47.1 D47#2.1 D47#3.1 D47#4.1 D47#5.1 D47#6.1 D47#7.1 D47#8.1 D48.1 D48#2.1 D48#3.1 D48#4.1 D48#5.1 D48#6.1 D48#7.1 D48#8.1 J22.1 J22#2.1 J22#3.1 J22#4.1 J22#5.1 J22#6.1 J22#7.1 J22#8.1 JP1.1 JP1#2.1 JP1#3.1 JP1#4.1 JP1#5.1 JP1#6.1 JP1#7.1 JP1#8.1 Q17.3 Q17#2.3 Q17#3.3 Q17#4.3 Q17#5.3 Q17#6.3 Q17#7.3 Q17#8.3
Net-(D41-Pad2): D41.2 D41#2.2 D41#3.2 D41#4.2 D41#5.2 D41#6.2 D41#7.2 D41#8.2 R41.2 R41#2.2 R41#3.2 R41#4.2 R41#5.2 R41#6.2 R41#7.2 R41#8.2
Net-(D42-Pad2): D42.2 D42#2.2 D42#3.2 D42#4.2 D42#5.2 D42#6.2 D42#7.2 D42#8.2 R42.2 R42#2.2 R42#3.2 R42#4.2 R42#5.2 R42#6.2 R42#7.2 R42#8.2
Net-(D43-Pad2): D43.2 D43#2.2 D43#3.2 D43#4.2 D43#5.2 D43#6.2 D43#7.2 D43#8.2 R43.2 R43#2.2 R43#3.2 R43#4.2 R43#5.2 R43#6.2 R43#7.2 R43#8.2
Net-(D44-Pad2): D44.2 D44#2.2 D44#3.2 D44#4.2 D44#5.2 D44#6.2 D44#7.2 D44#8.2 R44.2 R44#2.2 R44#3.2 R44#4.2 R44#5.2 R44#6.2 R44#7.2 R44#8.2
Net-(D45-Pad2): D45.2 D45#2.2 D45#3.2 D45#4.2 D45#5.2 D45#6.2 D45#7.2 D45#8.2 R45.2 R45#2.2 R45#3.2 R45#4.2 R45#5.2 R45#6.2 R45#7.2 R45#8.2
Net-(D46-Pad2): D46.2 D46#2.2 D46#3.2 D46#4.2 D46#5.2 D46#6.2 D46#7.2 D46#8.2 R46.2 R46#2.2 R46#3.2 R46#4.2 R46#5.2 R46#6.2 R46#7.2 R46#8.2
Net-(D47-Pad2): D47.2 D47#2.2 D47#3.2 D47#4.2 D47#5.2 D47#6.2 D47#7.2 D47#8.2 R47.2 R47#2.2 R47#3.2 R47#4.2 R47#5.2 R47#6.2 R47#7.2 R47#8.2
Net-(D48-Pad2): D48.2 D48#2.2 D48#3.2 D48#4.2 D48#5.2 D48#6.2 D48#7.2 D48#8.2 R48.2 R48#2.2 R48#3.2 R48#4.2 R48#5.2 R48#6.2 R48#7.2 R48#8.2
Net-(J11-Pad1): J11.1 J11#2.1 J11#3.1 J11#4.1 J11#5.1 J11#6.1 J11#7.1 J11#8.1 Q11.3 Q11#2.3 Q11#3.3 Q11#4.3 Q11#5.3 Q11#6.3 Q11#7.3 Q11#8.3
Net-(J12-Pad1): J12.1 J12#2.1 J12#3.1 J12#4.1 J12#5.1 J12#6.1 J12#7.1 J12#8.1 Q12.3 Q12#2.3 Q12#3.3 Q12#4.3 Q12#5.3 Q12#6.3 Q12#7.3 Q12#8.3
Net-(J13-Pad1): J13.1 J13#2.1 J13#3.1 J13#4.1 J13#5.1 J13#6.1 J13#7.1 J13#8.1 Q13.6 Q13#2.6 Q13#3.6 Q13#4.6 Q13#5.6 Q13#6.6 Q13#7.6 Q13#8.6
Net-(J14-Pad1): J14.1 J14#2.1 J14#3.1 J14#4.1 J14#5.1 J14#6.1 J14#7.1 J14#8.1 Q13.3 Q13#2.3 Q13#3.3 Q13#4.3 Q13#5.3 Q13#6.3 Q13#7.3 Q13#8.3
Net-(J16-Pad1): J16.1 J16#2.1 J16#3.1 J16#4.1 J16#5.1 J16#6.1 J16#7.1 J16#8.1 Q14.6 Q14#2.6 Q14#3.6 Q14#4.6 Q14#5.6 Q14#6.6 Q14#7.6 Q14#8.6
Net-(J18-Pad1): J18.1 J18#2.1 J18#3.1 J18#4.1 J18#5.1 J18#6.1 J18#7.1 J18#8.1 Q14.3 Q14#2.3 Q14#3.3 Q14#4.3 Q14#5.3 Q14#6.3 Q14#7.3 Q14#8.3
Net-(Q1-Pad3): Q1.3 Q1#2.3 Q1#3.3 Q1#4.3 Q1#5.3 Q1#6.3 Q1#7.3 Q1#8.3 Q3.6 Q3#2.6 Q3#3.6 Q3#4.6 Q3#5.6 Q3#6.6 Q3#7.6 Q3#8.6 R3.2 R3#2.2 R3#3.2 R3#4.2 R3#5.2 R3#6.2 R3#7.2 R3#8.2
Net-(Q2-Pad3): Q2.3 Q2#2.3 Q2#3.3 Q2#4.3 Q2#5.3 Q2#6.3 Q2#7.3 Q2#8.3 Q3.3 Q3#2.3 Q3#3.3 Q3#4.3 Q3#5.3 Q3#6.3 Q3#7.3 Q3#8.3 R4.2 R4#2.2 R4#3.2 R4#4.2 R4#5.2 R4#6.2 R4#7.2 R4#8.2
Net-(Q3-Pad1): Q3.1 Q3#2.1 Q3#3.1 Q3#4.1 Q3#5.1 Q3#6.1 Q3#7.1 Q3#8.1 R5.1 R5#2.1 R5#3.1 R5#4.1 R5#5.1 R5#6.1 R5#7.1 R5#8.1
Net-(Q3-Pad2): Q3.2 Q3.5 Q3#2.2 Q3#2.5 Q3#3.2 Q3#3.5 Q3#4.2 Q3#4.5 Q3#5.2 Q3#5.5 Q3#6.2 Q3#6.5 Q3#7.2 Q3#7.5 Q3#8.2 Q3#8.5 R7.2 R7#2.2 R7#3.2 R7#4.2 R7#5.2 R7#6.2 R7#7.2 R7#8.2 R8.1 R8#2.1 R8#3.1 R8#4.1 R8#5.1 R8#6.1 R8#7.1 R8#8.1
Net-(Q3-Pad4): Q3.4 Q3#2.4 Q3#3.4 Q3#4.4 Q3#5.4 Q3#6.4 Q3#7.4 Q3#8.4 R6.1 R6#2.1 R6#3.1 R6#4.1 R6#5.1 R6#6.1 R6#7.1 R6#8.1
Net-(Q6-Pad2): Q6.2 Q6.4 Q6#2.2 Q6#2.4 Q6#3.2 Q6#3.4 Q6#4.2 Q6#4.4 Q6#5.2 Q6#5.4 Q6#6.2 Q6#6.4 Q6#7.2 Q6#7.4 Q6#8.2 Q6#8.4 R14.1 R14#2.1 R14#3.1 R14#4.1 R14#5.1 R14#6.1 R14#7.1 R14#8.1
Net-(Q6-Pad3): Q6.3 Q6#2.3 Q6#3.3 Q6#4.3 Q6#5.3 Q6#6.3 Q6#7.3 Q6#8.3 Q8.4 Q8.5 Q8#2.4 Q8#2.5 Q8#3.4 Q8#3.5 Q8#4.4 Q8#4.5 Q8#5.4 Q8#5.5 Q8#6.4 Q8#6.5 Q8#7.4 Q8#7.5 Q8#8.4 Q8#8.5 R15.1 R15#2.1 R15#3.1 R15#4.1 R15#5.1 R15#6.1 R15#7.1 R15#8.1
Net-(Q6-Pad5): Q6.5 Q6.6 Q6#2.5 Q6#2.6 Q6#3.5 Q6#3.6 Q6#4.5 Q6#4.6 Q6#5.5 Q6#5.6 Q6#6.5 Q6#6.6 Q6#7.5 Q6#7.6 Q6#8.5 Q6#8.6 R13.1 R13#2.1 R13#3.1 R13#4.1 R13#5.1 R13#6.1 R13#7.1 R13#8.1
Net-(Q8-Pad2): Q8.2 Q8#2.2 Q8#3.2 Q8#4.2 Q8#5.2 Q8#6.2 Q8#7.2 Q8#8.2 R15.2 R15#2.2 R15#3.2 R15#4.2 R15#5.2 R15#6.2 R15#7.2 R15#8.2
Net-(Q21-Pad2): Q21.2 Q21#2.2 Q21#3.2 Q21#4.2 Q21#5.2 Q21#6.2 Q21#7.2 Q21#8.2 R31.1 R31#2.1 R31#3.1 R31#4.1 R31#5.1 R31#6.1 R31#7.1 R31#8.1
